# KiCad board beaglebone-ai.kicad_pcb (continued)
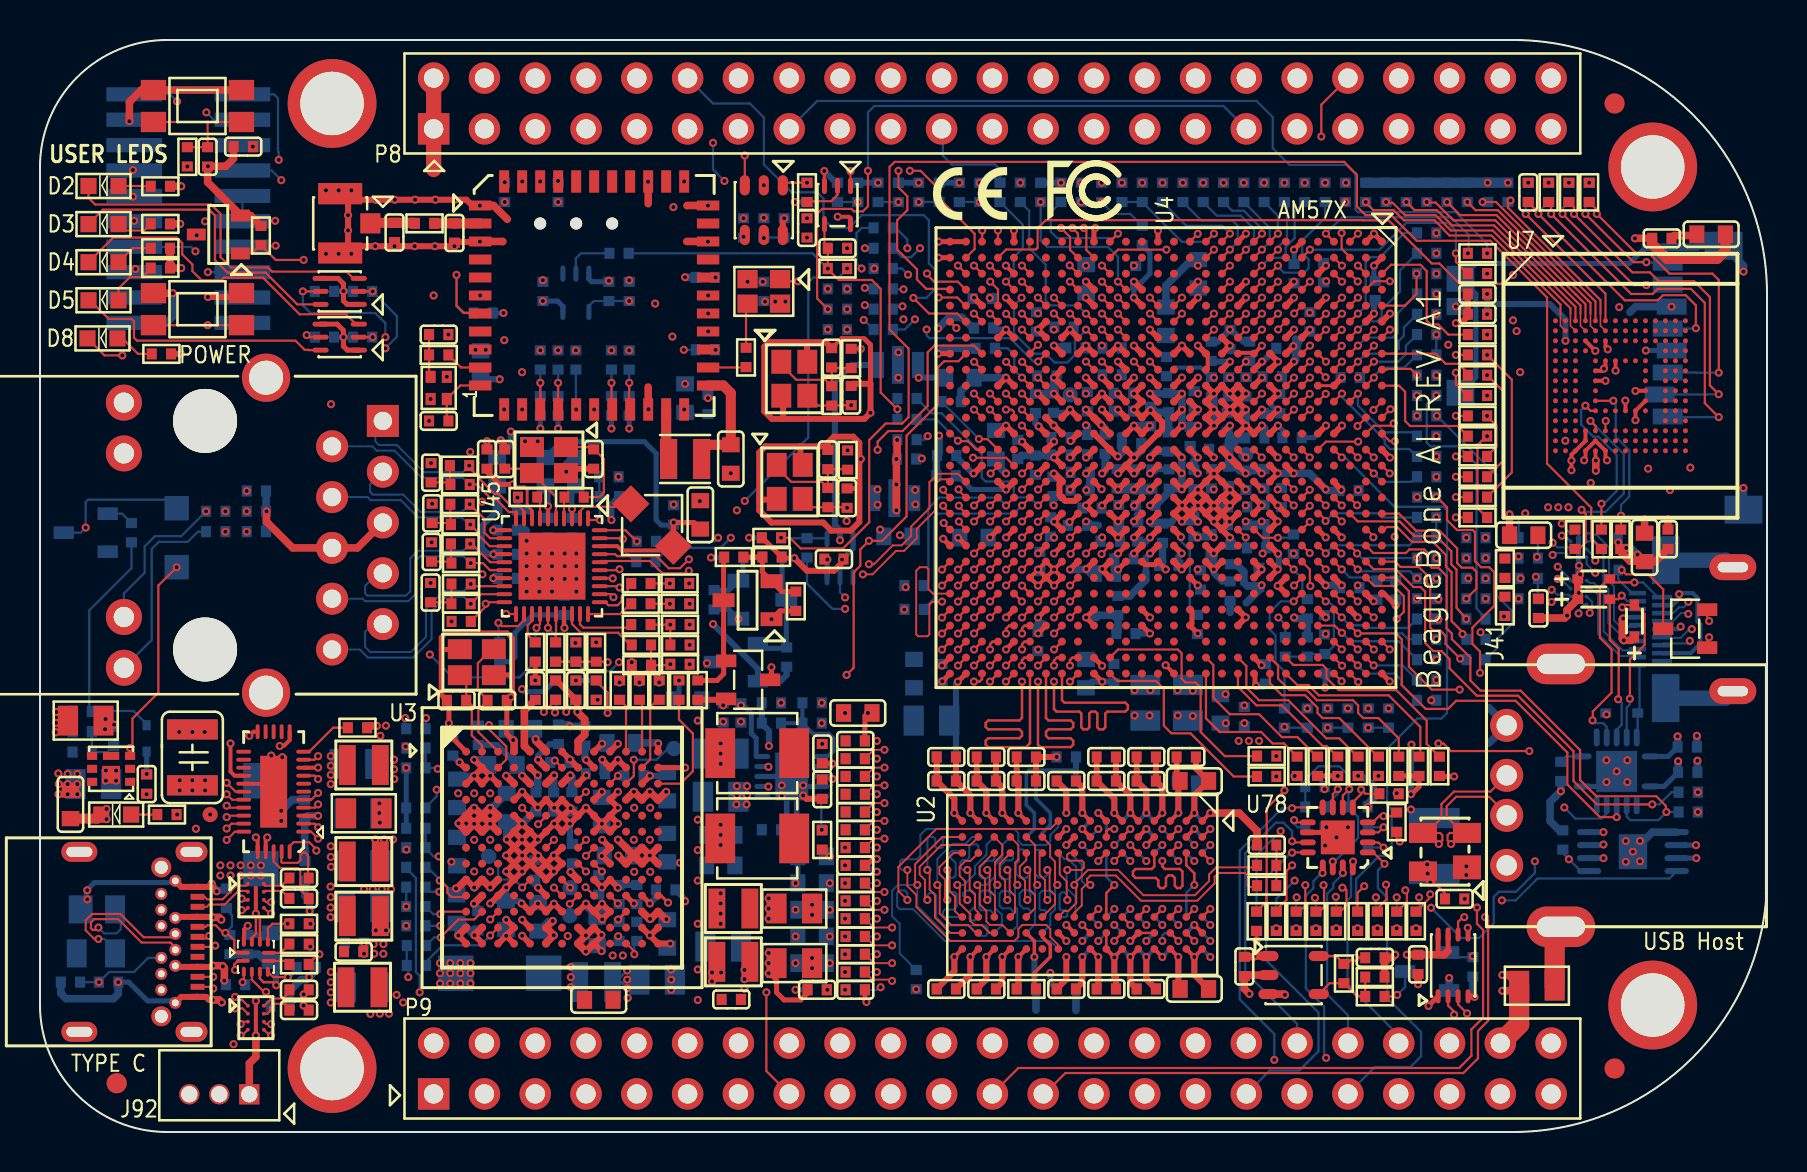
[diagram p0: board, top side]
## Placement (name value [footprint] x y rotation side) (continued)
R193  4.7K  [R0402]  69.34 28.7 180 bottom
R194  4.7K  [R0402]  69.34 27.69 180 bottom
R199  22R  [R0402]  69.34 30.73 180 bottom
R200  22R  [R0402]  69.34 29.72 180 bottom
R201  0R  [R0402]  79.04 29.64 90 top
R202  22R  [R0402]  65.28 46.99 90 bottom
R294  100R  [R0402]  19.94 38.86 180 top
R333  33R  [R0402]  25.02 38.61 90 bottom
R334  33R  [R0402]  25.91 38.61 90 bottom
R336  33R  [R0402]  28.57 38.61 90 bottom
R337  33R  [R0402]  29.46 38.61 90 bottom
R338  10K  [R0402]  22.16 40.96 0 bottom
R385  0R  [R0402]  19.23 45.44 180 top
R387  100K  [R0402]  16.13 39.75 0 bottom
R389  100K  [R0402]  14.22 39.75 180 bottom
R390  100K  [R0402]  16.13 42.04 0 bottom
R392  100K  [R0402]  14.22 42.04 180 bottom
R409  10K  [R0402]  82.42 16 0 bottom
R413  10K  [R0402]  25.91 46.99 270 bottom
R418  10K  [R0402]  75.44 46.99 90 top
R419  10K  [R0402]  76.45 46.99 90 top
R420  10K  [R0402]  77.47 46.99 90 top
R421  10K  [R0402]  75.44 46.99 90 bottom
R422  10K  [R0402]  76.45 46.99 90 bottom
R423  10K  [R0402]  77.47 46.99 90 bottom
R424  10K  [R0402]  39.88 42.16 0 bottom
R455  10K  [R0402]  28.47 31.78 0 bottom
R457  1K  [R0402]  8.79 30.02 180 bottom
R458  33R  [R0402]  30.05 25.37 0 top
R459  33R  [R0402]  30.07 24.36 0 top
R460  33R  [R0402]  25.78 24 270 top
R461  0R  [R0402]  26.71 31.75 180 top
R462  33R  [R0402]  25.78 24 270 bottom
R463  1K  [R0402]  10.82 30.02 180 bottom
R464  33R  [R0402]  30.05 26.42 0 top
R465  2.37K  [R0402]  24.38 31.75 0 top
R466  33R  [R0402]  30.05 27.43 0 top
R467  1K  [R0402]  24.76 24 90 top
R468  49.9R  [R0402]  20.98 33.32 0 top
R469  33R  [R0402]  30.3 28.52 0 bottom
R470  33R  [R0402]  30.33 29.54 0 bottom
R472  49.9R  [R0402]  21.01 32.38 0 top
R473  49.9R  [R0402]  21.01 31.39 0 top
R474  49.9R  [R0402]  21.03 30.38 0 top
R475  10K  [R0402]  21.06 25.53 180 top
R476  49.9R  [R0402]  21.03 29.41 0 top
R477  49.9R  [R0402]  21.06 28.45 0 top
R479  49.9R  [R0402]  21.06 27.41 0 top
R480  49.9R  [R0402]  21.06 26.42 0 top
R481  10K  [R0402]  26.8 24 270 bottom
R482  10K  [R0402]  8.79 31.04 180 bottom
R483  10K  [R0402]  22.99 24 90 bottom
R484  10K  [R0402]  32 23.39 180 top
R485  10K  [R0402]  26.8 24 270 top
R486  10K  [R0402]  32 24.36 180 top
R487  10K  [R0402]  31.98 26.42 180 top
R488  10K  [R0402]  32 25.37 0 top
R489  10K  [R0402]  30.07 23.34 180 top
R490  10K  [R0402]  27.81 24 90 top
R491  10K  [R0402]  31.98 27.43 180 top
R493  10K  [R0402]  55.12 46.99 270 bottom
R516  10K  [R0402]  76.15 14.6 270 bottom
R530  10K  [R0402]  69.34 24.64 0 bottom
R531  10K  [R0402]  71.81 29.72 0 bottom
R533  5.1K  [R0402]  9.32 11.68 270 bottom
R534  5.1K  [R0402]  1.52 7.49 0 bottom
R537  10K  [R0402]  15.88 20.22 180 top
R540  909K  [R0402]  9.78 7.37 0 bottom
R541  10K  [R0402]  12.01 6.3 0 bottom
R542  0R  [R0402]  12.95 9.4 0 top
R543  0R  [R0402]  12.95 8.38 0 top
R545  200K  [R0402]  13.31 8.23 0 bottom
R546  200K  [R0402]  12.95 10.41 0 top
R551  2.2K  [R0402]  2.11 21.03 180 bottom
R552  10K  [R0402]  4.57 29.97 270 bottom
R553  100K  [R0402]  2.11 19 180 bottom
R554  4.7K  [R0402]  3.68 19.79 270 bottom
R555  0R  [R0805]  2.67 17.4 0 bottom
R560  10K  [R0402]  23.24 46.99 270 bottom
R561  10K  [R0402]  25.02 36.32 270 bottom
R562  10K  [R0402]  25.91 36.32 270 bottom
R563  10K  [R0402]  26.8 38.61 90 bottom
R564  10K  [R0402]  28.57 36.32 270 bottom
R565  10K  [R0402]  29.46 36.32 270 bottom
R566  10K  [R0402]  63.75 16.26 180 bottom
R567  10K  [R0402]  65.91 14.22 180 bottom
R571  100K  [R0402]  63.75 15.24 180 bottom
R572  10K  [R0402]  65.91 15.24 180 bottom
R576  0R  [R0402]  35.31 38.74 90 top
R577  0R  [R0402]  68.81 10.54 90 top
R578  0R  [R0402]  68.81 10.54 90 bottom
R579  0R  [R0402]  67.84 10.54 90 bottom
R580  0R  [R0402]  67.84 10.54 90 top
R581  33R  [R0402]  69.34 21.59 0 bottom
R582  33R  [R0402]  69.34 23.62 0 bottom
R583  33R  [R0402]  49.02 46.99 90 bottom
R584  33R  [R0402]  69.34 31.75 0 bottom
R585  33R  [R0402]  48.01 46.99 90 bottom
R588  1K  [R0402]  37.21 42.04 90 bottom
R589  220R  [R0402]  27.81 22.1 270 top
R590  1K  [R0402]  6.02 43.21 0 top
R591  1K  [R0402]  6.02 44.2 0 top
R592  1K  [R0402]  6.02 45.42 0 top
R593  1K  [R0402]  6.02 47.29 0 top
R594  1K  [R0402]  6.35 15.88 0 top
R595  220R  [R0402]  7.37 48.77 270 top
R596  10K  [R0402]  39.88 46.99 270 bottom
R597  10K  [R0402]  53.09 46.99 270 bottom
R598  10K  [R0402]  43.94 46.99 270 bottom
R599  10K  [R0402]  52.07 46.99 270 bottom
R600  10K  [R0402]  57.15 46.99 270 bottom
R601  10K  [R0402]  58.17 46.99 270 bottom
R602  10K  [R0402]  59.18 46.99 270 bottom
R603  10K  [R0402]  60.2 46.99 270 bottom
R604  10K  [R0402]  61.21 46.99 270 bottom
R605  10K  [R0402]  63.25 46.99 270 bottom
R606  10K  [R0402]  62.23 46.99 270 bottom
R607  33R  [R0402]  71.81 26.67 180 bottom
R608  33R  [R0402]  71.81 24.64 180 bottom
R609  33R  [R0402]  69.34 32.77 180 bottom
R610  33R  [R0402]  33.27 39.12 0 bottom
R611  0R  [R0402]  33.4 36.39 270 bottom
R614  0R  [R0402]  69.34 44.96 180 bottom
R615  0R  [R0402]  39.88 41.15 0 bottom
R616  0R  [R0402]  69.34 43.94 180 bottom
R617  0R  [R0402]  71.81 27.69 180 bottom
R618  0R  [R0402]  71.81 28.7 180 bottom
R619  0R  [R0402]  69.34 41.91 180 bottom
R620  0R  [R0402]  69.34 38.86 180 bottom
R621  0R  [R0402]  69.34 39.88 180 bottom
R622  0R  [R0402]  69.34 33.78 180 bottom
R623  0R  [R0402]  69.34 40.89 180 bottom
R624  0R  [R0402]  69.34 37.85 180 bottom
R625  0R  [R0402]  69.34 34.8 180 bottom
R626  0R  [R0402]  69.34 35.81 180 bottom
R627  0R  [R0402]  71.81 23.62 180 bottom
R628  0R  [R0402]  69.34 42.93 180 bottom
R629  0R  [R0402]  39.88 40.13 0 bottom
R630  0R  [R0402]  71.81 25.65 180 bottom
R631  0R  [R0402]  69.34 36.83 180 bottom
R632  0R  [R0402]  61.82 10.54 90 bottom
R633  0R  [R0402]  61.82 10.54 90 top
R634  0R  [R0402]  63.8 10.54 90 top
R635  0R  [R0402]  63.8 10.54 90 bottom
R636  0R  [R0402]  60.83 10.54 90 top
R637  0R  [R0402]  60.83 10.54 90 bottom
R638  0R  [R0402]  62.81 10.54 90 bottom
R639  0R  [R0402]  62.81 10.54 90 top
R640  RL0805JR-070R1L  [R0805]  2.29 20.57 180 top
R641  0R  [R0402]  28.45 32.77 0 bottom
R642  0R  [R0402]  62.27 24.26 270 bottom
R643  0R  [R0402]  65.89 10.54 90 top
R644  0R  [R0402]  65.89 10.54 90 bottom
R645  0R  [R0402]  66.88 10.54 90 bottom
R646  0R  [R0402]  66.88 10.54 90 top
R652  0R  [R0402]  64.82 10.54 90 top
R653  0R  [R0402]  64.82 10.54 90 bottom
R656  100K  [R0402]  65.2 7.92 270 top
R657  80.6K  [R0402]  66.75 7.75 0 top
R658  52.3K  [R0402]  66.75 6.78 180 top
R659  100K  [R0402]  71.65 8.25 90 bottom
R660  100R  [R0402]  24.76 24 90 bottom
R661  10K  [R0402]  33.27 42.74 0 bottom
R662  0R  [R0402]  71.88 31.75 180 top
R663  0R  [R0402]  71.88 38.86 180 top
R664  0R  [R0402]  71.88 30.73 180 top
R665  0R  [R0402]  71.88 34.8 180 top
R666  0R  [R0402]  71.88 32.77 180 top
R667  0R  [R0402]  71.88 37.85 180 top
R668  0R  [R0402]  74.42 29.72 180 bottom
R669  0R  [R0402]  74.42 28.7 180 bottom
R670  1K  [R0402]  61.34 18.8 180 top
R671  1K  [R0402]  61.34 17.78 0 top
R672  1K  [R0402]  69.98 18.29 270 top
R673  1K  [R0402]  66.93 18.29 270 top
R674  1K  [R0402]  64.9 18.29 270 top
R675  1K  [R0402]  63.88 18.29 270 top
R676  1K  [R0402]  68.96 18.29 90 top
R677  1K  [R0402]  67.94 18.29 90 top
R678  1K  [R0402]  65.91 18.29 90 top
R679  1K  [R0402]  62.87 18.29 90 top
R680  0R  [R0402]  28.96 43.94 0 bottom
R681  0R  [R0402]  71.88 43.94 180 top
R682  0R  [R0402]  71.88 39.88 180 top
R683  0R  [R0402]  71.88 35.81 180 top
R684  0R  [R0402]  71.88 33.78 180 top
R685  0R  [R0402]  71.88 36.83 180 top
R686  0R  [R0402]  71.88 42.93 180 top
R687  0R  [R0402]  74.42 26.67 180 bottom
R688  0R  [R0402]  74.42 27.69 180 bottom
R689  100K  [R0402]  55.12 44.83 270 bottom
R690  10K  [R0402]  42.93 46.99 270 bottom
R691  10K  [R0402]  46.99 46.99 270 bottom
R692  100K  [R0402]  40.89 46.99 90 bottom
R693  100K  [R0402]  44.96 46.99 90 bottom
R694  0R  [R0402]  67.44 20.7 90 bottom
R695  0R  [R0402]  66.42 20.7 90 bottom
R696  0R  [R0402]  64.39 20.7 90 bottom
R697  0R  [R0402]  65.4 20.7 90 bottom
R698  0R  [R0402]  29.46 42.04 270 bottom
R699  RL0805JR-070R1L  [R0805]  74.85 7.32 180 top
R700  100K  [R0402]  11.05 44.83 270 top
R701  1K  [R0402]  6.07 38.91 0 top
R702  0R  [R0402]  73.25 26.29 270 top
R703  0R  [R0402]  73.25 28.19 90 top
R704  10K  [R0402]  76.05 18.03 270 bottom
R705  10K  [R0402]  82.42 16.99 0 bottom
R706  0R  [R0402]  67.84 15.49 270 top
R707  0R  [R0402]  67.46 16.92 0 top
REF**  -  [FCC-Logo_3.2x3.7mm_SilkScreen]  51.94 47.12 0 top
REF**#2  -  [CE-Logo]  46.61 47.12 0 top
S1  TACTICLE SWITCH  [SWS4B46X28]  7.87 51.31 180 top
S3  TACTICLE SWITCH  [SWS4B46X28]  7.87 41.15 180 top
T1  SI1902CDL-T1-GE3  [SOT363_6]  14.99 39.75 180 top
T2  SI1902CDL-T1-GE3  [SOT363_6]  14.99 42.04 180 top
TP2  NI  [TP30]  31.7 19.18 270 bottom
TP3  NI  [TP30]  26.49 10.82 270 bottom
TP4  NI  [TP30]  51.51 36.87 90 bottom
TP7  NI  [TP30]  22.44 13.78 270 bottom
TP8  NI  [TP30]  60.3 33.88 90 bottom
TP10  NI  [TP30]  8.51 15.88 0 top
TP11  NI  [TP30]  26.51 12.22 0 bottom
U1  TPS51200DRCRG4  [VSON50P300X300X100-11N]  37.59 17.78 0 bottom
U2  D2516EC4BXGGB  [BGA96G]  52.12 12.35 90 top
U3  TPS6590377ZWSR  [BGA169C80P13X13_1200X1200X140]  26.11 14.22 0 top
U4  AM5729BABCXEAR  [BGA760C80P28X28_2300X2300X305]  56.3 33.73 90 top
U6  SN74LVC1G08DCKR  [SC70_5]  39.88 46.35 90 top
U7  EMMC16G-TB28-Z20U  [BGA153P5]  79.03 37.32 0 top
U8  SN74LVC1G07DCKR  [SC70_5]  40 28.7 270 bottom
U10  TPS3808G33DBVT  [SOT23_6]  36.19 46.1 90 top
U11  D2516EC4BXGGB  [BGA96G]  52.12 12.35 270 bottom
U12  TXS0104ERGYR  [QFN50P350X350X100-15N]  78.84 18.03 0 bottom
U22  TUSB322IRWBR  [X2QFN40P160X160X40-12N]  10.79 8.76 0 top
U37  AW-CM256SM  [WLBT90P1200X1200X160-47N]  27.71 41.83 0 top
U40  SGM2032-ADJYN5G/TR  [SOT23_5]  62.69 7.85 0 top
U45  AR8035-AL1B  [QFN40_1P4H]  25.6 28.3 90 top
U46  SN74LVC2G241DCUT  [VSSOP8CR]  70.66 8.33 270 top
U48  TPS2051BDGN  [SOP8_1FH]  79.65 14.02 0 bottom
U72  PI3USB3102ZLE  [QFN40P300X600X80-33N]  11.68 17.02 180 top
U78  STMPE811QTR  [QFN50P300X300X100-17N]  64.9 14.73 180 top
U88  PCMF2USB30  [WLCSP10C40P3X4_117X157X60N]  10.79 11.81 180 top
U89  PCMF2USB30  [WLCSP10C40P3X4_117X157X60N]  10.79 5.71 180 top
U90  SN74LVC1G07DCKR  [SC70_5]  26.8 41.97 90 bottom
U91  PCMF2HDMI2S  [WLCSP10C40P3X4_117X157X60N]  76.94 29.34 0 bottom
U92  PCMF2HDMI2S  [WLCSP10C40P3X4_117X157X60N]  76.94 26.97 0 bottom
X4  37.4MHZ  [X4S16X12]  19.94 37.21 270 top
X6  16.384MHZ  [OSCCC250X200X60-4N]  21.84 23.5 0 top
X7  20MHZ  [OSCCC250X200X60-4N]  37.49 32.51 270 top
X8  22.5792MHZ  [OSCCC250X200X60-4N]  37.72 37.67 270 top
X9  25MHZ  [OSCCC250X200X60-4N]  25.45 33.6 180 top

## Library data of the parts
C1 C462 = -: Description: CAP,1NF,+/-10%,X7R,50V,SMD0402; Manufacturer: Murata; Manufacturer P/N: GRM155R71H102KA01D; Rating: 50V,X7R
C2 C3 C464 = -: Description: CAP,4.7UF,+/-10%,X5R,10V,SMD0603; Manufacturer: Murata; Manufacturer P/N: GRM188R61A475KE15D; Rating: 10V,X5R
C4 C7 C37 C89-C91 C113 C116 C120 C124 C130 C161 C170 C180 C198 C208 C291 C292 C295 C300 C344 C349 C461 = -: Description: CAP,10UF,+/-10%,X5R,10V,SMD0603; Manufacturer: Murata; Manufacturer P/N: GRM188R61A106KE69D; Rating: 10V,X5R
C5 C6 C8 C20 C35 C41 C42 C49 C60 C61 C69 C80 C81 C87 C88 C98 C99 C123 C143 C144 C147 C149 C153 C159 C163 C184 C225 C226 C267 C281 C285 C286 C320 C321 C325 C327 C335 C336 C340 C345 C347 C348 C350-C353 C439-C441 C443-C446 C457 C466 C472 C491 C492 C496-C498 = -: Description: CAP,100NF,+/-10%,X7R,16V,SMD0402; Manufacturer: Murata; Manufacturer P/N: GRM155R71C104KA88D; Rating: 16V,X7R
C9-C11 C17-C19 C22-C25 C36 C40 C79 C95 C97 C100-C104 C118 C119 C122 C125 C131 C136 C138-C141 C145 C146 C148 C154 C155 C158 C162 C165 C166 C171 C174 C175 C178 C181 C182 C185-C187 C189 C190 C193 C197 C199 C201-C203 C205-C207 C209-C213 C218 C220-C224 C227 C230-C238 C242 C245 C255-C259 C261 C262 C269-C272 C299 C483 C494 = -: Description: CAP,10NF,+/-10%,X7R,16V,SMD0402; Manufacturer: MURATA; Manufacturer P/N: GRM155R71C103KA01D; Rating: X7R,16V
C12 C26 C93 C94 C105 C111 C192 C263-C266 C293 C294 C297 C298 = -: Description: CAP,47UF,+/-20%,X5R,6.3V,SMD0805; Manufacturer: MURATA; Manufacturer P/N: GRM21BR60J476ME15L; Rating: 6.3V,X5R
C13-C16 = -: Description: CAP,24pF,+/-5%,C0G,50V,SMD0402; Manufacturer: Murata; Manufacturer P/N: GRM1555C1H240JA01D; Rating: 50V,C0G
C38 C43 C117 C121 C133 C134 C151 C152 C157 = -: Description: CAP,2.2UF,+/-20%,X5R,6.3V,SMD0402; Manufacturer: Murata; Manufacturer P/N: GRM155R60J225ME15D; Rating: 6.3V,X5R
C39 C96 C188 = -: Description: CAP,22UF,+/-20%,X5R,6.3V,SMD0603; Manufacturer: MURATA; Manufacturer P/N: GRM188R60J226MEA0D; Rating: 6.3V,X5R
C51 C52 C68 C338 C341-C343 C463 = -: Description: CAP,15pF,+/-2%,C0G,50V,SMD0402; Manufacturer: Murata; Manufacturer P/N: GRM1555C1H150GA01D; Rating: 50V,C0G
C58 = -: Description: CAP,22UF,+/-20%,x5R,10V,SMD0603; Manufacturer: Murata; Manufacturer P/N: GRM188R61A226ME15D; Rating: 10V,X5R
C92 = -: Description: CAP,10PF,+/-5%,C0G,50V,SMD0402; Manufacturer: MURATA; Manufacturer P/N: GRM1555C1H100JA01D; Rating: 50V,C0G
C106-C109 C179 C204 C214 C254 C260 C273-C277 C279 C283 C339 C346 C480 C489 C490 C495 = -: Description: CAP,1UF,+/-10%,X5R,10V,SMD0402; Manufacturer: Murata; Manufacturer P/N: GRM155R61A105KE15D; Rating: 10V,X5R
C110 C112 C168 C176 C177 C183 C200 C215 C217 C296 = -: Description: CAP,10UF,+/-20%,X5R,6.3V,SMD0402; Manufacturer: Yageo; Manufacturer P/N: CC0402MRX5R5BB106; Rating: X5R,6.3V
C114 C115 C127 C128 C132 C156 C194-C196 C442 C456 = -: Description: CAP,4.7UF,+/-10%,X5R,16V,SMD0603; Manufacturer: Murata; Manufacturer P/N: GRM188R61C475KAAJD; Rating: 16V,X5R
C126 C164 C169 C172 C278 C282 = -: Description: CAP,2.2UF,+/-10%,X5R,16V,SMD0603; Manufacturer: Murata; Manufacturer P/N: GRM188R61C225KE15D; Rating: 16V,X5R
C216 = -: Description: CAP,1UF,+/-10%,X5R,16V,SMD0402; Manufacturer: Murata; Manufacturer P/N: GRM155R61C105KA12D; Rating: 16V,X5R
C268 = -: Description: Cap  Ceramic 1.5pF, +-0.25pF, 50V, C0G, 0402; Manufacturer: Murata; Manufacturer P/N: GRM1555C1H1R5CA01D; Rating: 50V,C0G
C326 = -: Description: CAP,47UF,+/-20%,X5R,10V,SMD1210; Manufacturer: MURATA; Manufacturer P/N: GRM32ER61A476ME20; Rating: 10V,X5R
C334 C337 = -: Description: CAP,22PF,+/-5%,C0G,50V,SMD0402; Manufacturer: Murata; Manufacturer P/N: GRM1555C1H220JA01D; Rating: 50V,C0G
C473 = -: Description: CAP,5PF,+/-0.25PF,C0G,50V,SMD0402; Manufacturer: Murata; Manufacturer P/N: GRM1555C1H5R0CA01D; Rating: 50V,C0G
C481 C482 = -: Description: CAP,100UF,+/-20%,X5R,6.3V,SMD1210; Manufacturer: MURATA; Manufacturer P/N: GRM32ER60J107ME20#; Rating: 6.3V,X5R
C488 = -: Description: CAP,1.0PF,+/-0.1PF,50V,SMD0402,LowESR,High-Q type; Manufacturer: Murata; Manufacturer P/N: GJM1555C1H1R0BB01D; Rating: 50V,NP0
D1-D5 D8 = -: Description: LED,Super Yellow Green,Water Clear,20mA,SMD0603; Manufacturer: Everlight; Manufacturer P/N: 19-217/G7C-AN1P2/3T; Rating: 20mA
D6 D7 = -: Description: IC,Low-Voltage Adjustable Precision Shunt Regulators; Manufacturer: TI
D21-D25 = -: Description: Diode,TVS,ESD5B5.0ST1G,5V,50W,SOD-523,SMD; Manufacturer: ON
D46 D47 = -: Description: Diode,TVS,ESD0402-V05L, 5V, 0.1pF,0402,SMD; Manufacturer: TOPS; Rating: 5V
D76 = -: Description: Diode,Zener Diode,MM5Z5V1ST1G,5.1V,+/-2%,200 mW,SOD523,SMD,-65~155,AEC-Q101,TR; Manufacturer: ON
D77 = -: Description: Diode,Schottky Diode,1N5819HW-7-F,40V,1A,SOD-123,SMD,-65~125,TR; Manufacturer: DIODES
D78 D79 = -: Description: Diode,TVS,PRTR5V0U2X, 5.5V,SOT-143B,SMD; Manufacturer: NXP
D81 D82 = -: Description: Diode,Schottky Diode,B360A-13-F,60V,3A,SMA,SMD; Manufacturer: DIODES
FB2 FB3 FB6 = -: Description: Ferrite Bead,180ohm@100MHz,+/-25%,1500mA,0.09ohm,SMD0603; Manufacturer: Murata; Manufacturer P/N: BLM18PG181SN1D; Rating: 1500mA
FB5 = -: Description: Ferrite Bead,120ohm@100MHz,+/-25%,1300mA,90mohm,SMD0402; Manufacturer: Murata; Manufacturer P/N: BLM15PD121SN1D; Rating: 1300mA
FL1 FL2 = -: Description: CAP Feedthru 0.47UF 20% 16V 0805; Manufacturer: Murata
ID1-ID3 = -: Description: MARK  point,DIA 40mil
J33 = -: Description: Connector,Coaxial Connector,U.FL-R-SMT-1,6GHZ,SMD,TR  U.FL-R-SMT-1(10) Packing for2,500 pcs/reel or U.FL-R-SMT-1(40) Packing for4,000 pcs/reel; MANUFACTURER: HIROSE; Manufacturer P/N: Connector,Coaxial Connector,U.FL-R-SMT-1,6GHZ,SMD,TR  U.FL-R-SMT-1(10) Packing for2,500 pcs/reel or U.FL-R-SMT-1(40) Packing for4,000 pcs/reel
J37 = -: Description: Connector,RJ45 Jack with integrated magnetics and Y/G/Y Three leds,Right Angle,1000M,Gold Flash 6u,Black,21.35x15.95x13.50MM,DIP; MANUFACTURER: MTCONN; Manufacturer P/N: Connector,RJ45 Jack with integrated magnetics and Y/G/Y Three leds,Right Angle,1000M,Gold Flash 6u,Black,21.35x15.95x13.50MM,DIP
J41 = -: Description: Connector,USB A port,4 Position,female,Right Angle,30u GXT Contact,black,DIP; MANUFACTURER: Foxcon; Manufacturer P/N: Connector,USB A port,4 Position,female,Right Angle,30u GXT Contact,black,DIP
J42 = -: Description: Connector,USB type C port,female,flat insert,SMT/THT;; MANUFACTURER: MTCONN; Manufacturer P/N: Connector,USB type C port,female,flat insert,SMT/THT;
J90 = -: Description: Card Connector MCTF-0606 Connector,MicroSD Card CONN with detect switch,Gold Flash 1u,Black,SMD MTCONN Hamster AM572x; MANUFACTURER: HSF; Manufacturer P/N: Card Connector MCTF-0606 Connector,MicroSD Card CONN with detect switch,Gold Flash 1u,Black,SMD MTCONN Hamster AM572x
J91 = -: Description: Connector,HDMI Receptacle, Type D, Right Angle,DIP+ SMT leg; MANUFACTURER: FCI; Manufacturer P/N: Connector,HDMI Receptacle, Type D, Right Angle,DIP+ SMT leg
J92 = -: Description: Connector, Wire-To-Board Top Entry, ZH Series, Through Hole, Header, 3PIN, 1.5 mm, Tin Plated Contacts; MANUFACTURER: JST; Manufacturer P/N: Connector, Wire-To-Board Top Entry, ZH Series, Through Hole, Header, 3PIN, 1.5 mm, Tin Plated Contacts
L1 L2 = -: Description: Power Inductor,Magnetic shielded,1uH,idc4.5A,27mohm,4.3x4.0x2.0mm,20%,SMD,TR; MANUFACTURER: GAUSSTEK; Manufacturer: SP04O203M1U; Manufacturer P/N: Power Inductor,Magnetic shielded,1uH,idc4.5A,27mohm,4.3x4.0x2.0mm,20%,SMD,TR
L15 = -: Description: Power Inductor,Magnetic shielded,4.7uH,1.2A,0.14ohm,3X3X1.8mm,SMD; MANUFACTURER: Sumida; Manufacturer: CDRH2D18/HPNP-4R7NC; Manufacturer P/N: Power Inductor,Magnetic shielded,4.7uH,1.2A,0.14ohm,3X3X1.8mm,SMD
L16-L22 = -: Description: SMD Power Inductors 1uH +/-20%;-25C to +125C SATURATION CURRENT 3.1A;DCR 85m;Size:2.5*2.0*1.05mm; MANUFACTURER: Gausstek; Manufacturer: DI20A102M1U; Manufacturer P/N: SMD Power Inductors 1uH +/-20%;-25C to +125C SATURATION CURRENT 3.1A;DCR 85m;Size:2.5*2.0*1.05mm
L30 = -: Description: Power Inductor,Magnetic shielded,4.7uH,1.05A,0.338ohm,2.5x2.0x1.2mm,SMD; MANUFACTURER: TDK; Manufacturer: VLS252012ET-4R7M; Manufacturer P/N: Power Inductor,Magnetic shielded,4.7uH,1.05A,0.338ohm,2.5x2.0x1.2mm,SMD
MH1-MH4 = -: Description: Plated hole,Circle,DAI 4.445MM ,VIA 3.175MM; MANUFACTURER: Plated hole,Circle,DAI 4.445MM ,VIA 3.175MM
OSC1 = -: Description: Oscillator,1651-L3273-BTBQYA,32.768KHz,+/-30ppm,3.3V,2520-4 pads,SMD; Manufacturer: INTERQUIP; Manufacturer P/N: 1651-L3273-BTBQYA; Rating: 30PPM
P2 = -: Description: Dual Line Header 10x2pin Tin; Manufacturer: Dual Line Header 10x2pin Tin; Manufacturer P/N: Dual Line Header 10x2pin Tin
P8 P9 = -: Description: Connector,Pin Socket,Straight,Female,2x23Pin,2.54MM pitch,8.5,3.0,Gold Flash 1u, black,DIP; Manufacturer: MTCONN; Manufacturer P/N: JT254F-D180-850-223-001-G
Q1 Q4 Q14 = -: Description: Transistor,PNP,MMBT2907A-7-F,60V,600MA,SOT-23,SMD; Manufacturer: Diodes; Manufacturer P/N: MMBT2907A-7-F; Rating: 600mA
Q15 = -: Description: MOSFET,Single P-Channel PowerTrench MOSFET,-12A, -12V,12.5 mohm,microFET2x2(8Pin),SMD; Manufacturer: FAIRCHILD
Q17 = -: Description: Mosfet,N-Channel,2N7002,60V,115mA,SOT-23,SMD; Manufacturer: FAIRCHILD
Q18 = -: Description: Mosfet,N-Channel,BSS138LT1G,50V,0.2A,SOT-23,SMD; Manufacturer: ON
Q19 = -: Description: Diode,Schottky Barrier(Double) Diodes,BAT54C,215,30V,200mA,SOT-23,SMD; Manufacturer: NXP
R1 R2 R8 R13 R86 R87 R338 R409 R413 R418-R424 R455 R475 R481-R491 R516 R530 R531 R537 R560-R565 R704 R705 = -: Description: RES,10K,+/-1%,1/16W,SMD0402; Manufacturer: YAGEO; Manufacturer P/N: RC0402FR-0710KL; Rating: 1%
R3 R38 R44 R162 R164 R168 R173 R387 R389 R390 R392 R553 R571 R689 R692 R693 R700 = -: Description: RES,100K,+/-5%,1/16W,SMD0402; Manufacturer: YAGEO; Manufacturer P/N: RC0402JR-07100KL; Rating: 5%
R4 R18-R20 R24 R27 R54 R74 R82 R98 R99 R101-R104 R107 R112 R113 R119 R121 R124 R139 R155-R157 R169 R174-R179 R182 R184-R186 R188 R493 R541 R552 R566 R567 R572 R596-R606 R661 R690 R691 = -: Description: RES,10K,+/-5%,1/16W,SMD0402; Manufacturer: YAGEO; Manufacturer P/N: RC0402JR-0710KL; Rating: 5%
R7 R10 R14 R15 R55 R56 R70 R89 R90 R100 R108 R130 R145 R146 R148 R149 R152 R159 R183 R201 R385 R461 R542 R543 R576-R580 R611 R614-R639 R641-R646 R652 R653 R662-R669 R680-R688 R694-R698 R702 R703 R706 R707 = -: Description: RES,0R,+/-5%,1/16W,SMD0402; Manufacturer: YAGEO; Manufacturer P/N: RC0402JR-070RL; Rating: 5%
R9 R85 = -: Description: RES,499R,+/-1%,1/16W,SMD0402; Manufacturer: YAGEO; Manufacturer P/N: RC0402FR-07499RL; Rating: 1%
R11 R12 = -: Description: RES,1M,+/-5%,1/16W,SMD0402; Manufacturer: YAGEO; Manufacturer P/N: RC0402JR-071ML; Rating: 5%
R17 R91 = -: Description: RES,40K2,+/-1%,1/16W,SMD0402; Manufacturer: YAGEO; Manufacturer P/N: RC0402FR-0740K2L; Rating: 1%
R22 R88 = -: Description: RES,240R,+/-1%,1/16W,SMD0402; Manufacturer: YAGEO; Manufacturer P/N: RC0402FR-07240RL; Rating: 1%
R25 R30 R31 R33 R34 R36 R37 R39 R40 R42 R43 R123 R125 R126 R128 R129 R131 R132 R136 R137 R140 R142 R143 R160 R161 = -: Description: RES,47R,+/-1%,1/16W,SMD0402; Manufacturer: YAGEO; Manufacturer P/N: RC0402FR-0747RL; Rating: 1%
R26 R29 R468 R472-R474 R476 R477 R479 R480 = -: Description: RES,49R9,+/-1%,1/16W,SMD0402; Manufacturer: YAGEO; Manufacturer P/N: RC0402FR-0749R9L; Rating: 1%
R57 = -: Description: RES,18K,+/-1%,1/16W,SMD0402; Manufacturer: YAGEO; Manufacturer P/N: RC0402FR-0718KL; Rating: 1%
R58 = -: Description: RES,20K,+/-1%,1/16W,SMD0402; Manufacturer: YAGEO; Manufacturer P/N: RC0402FR-0720KL; Rating: 1%
R83 R660 = -: Description: RES,100R,+/-5%,1/16W,SMD0402; Manufacturer: YAGEO; Manufacturer P/N: RC0402JR-07100RL; Rating: 5%
R84 = -: Description: RES,10R,+/-1%,1/16W,SMD0402; Manufacturer: YAGEO; Manufacturer P/N: RC0402FR-0710RL; Rating: 1%
R92-R97 R199 R200 R202 = -: Description: RES,22R,+/-5%,1/16W,SMD0402; Manufacturer: YAGEO; Manufacturer P/N: RC0402JR-0722RL; Rating: 5%
R134 = -: Description: RES,1K5,+/-5%,1/16W,SMD0402; Manufacturer: YAGEO; Manufacturer P/N: RC0402JR-071K5L; Rating: 5%
R147 R150 R151 R588 R590-R594 R670-R679 R701 = -: Description: RES,1K,+/-5%,1/16W,SMD0402; Manufacturer: YAGEO; Manufacturer P/N: RC0402JR-071KL; Rating: 5%
R180 R189 R192-R194 R554 = -: Description: RES,4K7,+/-5%,1/16W,SMD0402; Manufacturer: YAGEO; Manufacturer P/N: RC0402JR-074K7L; Rating: 5%
R294 = -: Description: RES,100R,+/-1%,1/16W,SMD0402,ALT_CODE:15052701; Manufacturer: YAGEO; Manufacturer P/N: RC0402FR-07100RL; Rating: 1%
R333 R334 R336 R337 R458-R460 R462 R464 R466 R469 R470 R581-R585 R607-R610 = -: Description: RES,33R,+/-5%,1/16W,SMD0402; Manufacturer: YAGEO; Manufacturer P/N: RC0402JR-0733RL; Rating: 5%
R457 R463 R467 = -: Description: RES,1K,+/-1%,1/16W,SMD0402; Manufacturer: YAGEO; Manufacturer P/N: RC0402FR-071KL; Rating: 1%
R465 = -: Description: RES,2K37,+/-1%,1/16W,SMD0402; Manufacturer: YAGEO; Manufacturer P/N: RC0402FR-072K37L; Rating: 1%
R533 R534 = -: Description: RES,5K1,+/-1%,1/16W,SMD0402; Manufacturer: YAGEO; Manufacturer P/N: RC0402FR-075K1L; Rating: 1%
R540 = -: Description: RES,909K,+/-1%,1/16W,SMD0402; Manufacturer: YAGEO; Manufacturer P/N: RC0402FR-07909KL; Rating: 1%
R545 R546 = -: Description: RES,200K,+/-5%,1/16W,SMD0402; Manufacturer: YAGEO; Manufacturer P/N: RC0402JR-07200KL; Rating: 5%
R551 = -: Description: RES,2K2,+/-5%,1/16W,SMD0402; Manufacturer: YAGEO; Manufacturer P/N: RC0402JR-072K2L; Rating: 5%
R555 = -: Description: RES,0R,+/-5%,1/2W,SMD0805; Manufacturer: YAGEO; Manufacturer P/N: RC0805JR-070RL; Rating: 5%
R589 R595 = -: Description: RES,220R,+/-5%,1/16W,SMD0402; Manufacturer: YAGEO; Manufacturer P/N: RC0402JR-07220RL; Rating: 5%
R640 R699 = -: Description: RES,0R1,+/-5%,1/8W,SMD0805; Manufacturer: Yageo; Rating: 5%
R656 R659 = -: Description: RES,100K,+/-1%,1/16W,SMD0402; Manufacturer: YAGEO; Manufacturer P/N: RC0402FR-07100KL; Rating: 1%
R657 = -: Description: RES,80K6,+/-1%,1/16W,SMD0402; Manufacturer: YAGEO; Manufacturer P/N: RC0402FR-0780K6L; Rating: 1%
R658 = -: Description: RES,52K3,+/-1%,1/16W,SMD0402; Manufacturer: YAGEO; Manufacturer P/N: RC0402FR-0752K3L; Rating: 1%
S1 S3 = -: Description: Switch,Tactile,300gf+/-50gf,black housing,black plunger,4.6*2.8*1.9MM,SMD; Manufacturer: C&K; Manufacturer P/N: KMR231GLFS
T1 T2 = -: Description: Mosfet,N-Channel,Si1902CDL-T1-GE3,20V,385mohm,1.5A,SOT-363,SMD; Manufacturer: VISHAY; Manufacturer P/N: Si1902CDL-T1-GE3
TP2-TP4 TP7 TP8 TP10 TP11 = -: Description: Test point,DIA 30mil
U1 = -: Description: IC Sink and Source DDR Termination Regulator VSON-10 SMD; Manufacturer: TI
U2 U11 = -: Description: IC,DDR3L 4 GB (256M x 16) DDR3/3L-1600 Mbps DRAM - FBGA-96 Tray; Manufacturer: KINGSTON
U3 = -: Description: IC TPS659037 Power Management Unit (PMU) for Processor NFBGA-169 SMD; Manufacturer: TI
U4 = -: Description: IC ARM Dual Cortex-A15 Microprocessor FCBGA(ABC)-760 SMD JEDEC TRAY; Manufacturer: TI
U6 = -: Description: IC,SINGLE 2-INPUT POSITIVE-AND GATE,SN74LVC1G08DCKR,SOT-353,SMD; Manufacturer: TI
U7 = -: Description: IC,Memory,16GB,EMMC,EMMC16G-TB28-Z20U,FBGA153,SMD; Manufacturer: Kingston
U8 U90 = -: Description: IC,SINGLE BUFFER/DRIVER WITH OPEN-DRAIN OUTPUT,SN74LVC1G07DCKR,SC-70,SMD; Manufacturer: TI
U10 = -: Description: IC,Low Quiescent Current, Programmable-Delay Supervisory Circuit,TPS3808G33DBVT,SOT-23,SMD; Manufacturer: TI
U12 = -: Description: IC,TXS0104E 4-Bit Bidirectional Voltage-Level Translator For Open-Drain and Push-PullApplications 14-QFN,SMD; Manufacturer: TI
U22 = -: Description: USB Type C Configuration Channel Logic and Port Control with VCONN; Manufacturer: TI
U37 = -: Description: IEEE 802.11 a/b/g/n/ac WIFI with Bluetooth 4.2 combo SDIO and UART Stamp Module,AW-CM256SM,SMD; Manufacturer: AzureWave
U40 = -: Description: IC,300mA Low Power Low Dropout RF Linear Regulators,SGM2032-ADJYN5G/TR,SOT23-5,SMD; Manufacturer: KINGSTON
U45 = -: Description: IC,Ultra low-power single RGMII Gigabit Ethernet PHY,AR8035,QFN-40,SMD; MANUFACTURER: ATHEROS; Manufacturer: ATHEROS
U46 = -: Description: IC,Dual Buffer and Line Driver,SN74LVC2G241DCUT,US8,SMD; Manufacturer: TI
U48 = -: Description: IC,Current-Limited Power-distribution Switches,TPS2051BDGN,8-MSOP-PowerPad,SMD; Manufacturer: TI
U72 = -: Description: IC USB3.0&USB2.0 SWITCH 32TQFN; Manufacturer: Pericom
U78 = -: Description: 12 bit ADC,S-Touch? advanced resistive touchscreen controller with 8-bit GPIO expander; Manufacturer: STMicroelectronics
U88 U89 = -: Description: Common-mode EMI filter for differential channels with integrated ESD protection; Manufacturer: Nexperia USA Inc.; Manufacturer P/N: PCMF2USB30Z
U91 U92 = -: Description: EMI filter with integrated ElectroStatic Discharge protection two differential channels,PCMF2HDMI2S,SMD; Manufacturer: Nexperia
X4 = -: Description: XTAL,37.4MHz,12PF 1.6x1.2mm,,X37M400000S002, SMT TR; Manufacturer: AEL; Manufacturer P/N: X37M400000S002
X6 = -: Description: Crystal,5ZAA16384102TFA5Q3,16.384MHz,+/-20PPM,10PF,2520-4 pads,SMD; Manufacturer: INTERQUIP; Manufacturer P/N: 5ZAA16384102TFA5Q3; Rating: 20PPM
X7 = -: Description: Crystal,5ZAA20000181TFA2Q3,20MHz,+/-10PPM,18PF,2520-4 pads,SMD; Manufacturer: INTERQUIP; Manufacturer P/N: 5ZAA20000181TFA2Q3; Rating: 10PPM
X8 = -: Description: Crystal,5ZAA22579182TFA0Q3,22.5792MHz,+/-20PPM,18PF,2520-4 pads,SMD; Manufacturer: INTERQUIP; Manufacturer P/N: 5ZAA22579182TFA0Q3; Rating: 20PPM
X9 = -: Description: Crystal,5ZAA25000202TFA0Q3,25MHz,+/-20PPM,20PF,2520-4 pads,SMD; Manufacturer: INTERQUIP; Manufacturer P/N: 5ZAA25000202TFA0Q3; Rating: 20PPM

## Footprints (pads in the part's own frame, mm; a bottom-side part is the same pattern mirrored in y, then rotated)
ANT3S_26X26
  rect 1.016x1.016 smd: 1(0,1.508)
  rect 1.067x2.21 smd: 2(1.483,0) 3(-1.483,0)
BGA96G
  round 0.381 smd: A1(3.2,-6) A2(2.4,-6) A3(1.6,-6) A7(-1.6,-6) A8(-2.4,-6) A9(-3.2,-6) B1(3.2,-5.2) B2(2.4,-5.2) B3(1.6,-5.2) B7(-1.6,-5.2) B8(-2.4,-5.2) B9(-3.2,-5.2) C1(3.2,-4.4) C2(2.4,-4.4) C3(1.6,-4.4) C7(-1.6,-4.4) C8(-2.4,-4.4) C9(-3.2,-4.4) D1(3.2,-3.6) D2(2.4,-3.6) D3(1.6,-3.6) D7(-1.6,-3.6) D8(-2.4,-3.6) D9(-3.2,-3.6) E1(3.2,-2.8) E2(2.4,-2.8) E3(1.6,-2.8) E7(-1.6,-2.8) E8(-2.4,-2.8) E9(-3.2,-2.8) F1(3.2,-2) F2(2.4,-2) F3(1.6,-2) F7(-1.6,-2) F8(-2.4,-2) F9(-3.2,-2) G1(3.2,-1.2) G2(2.4,-1.2) G3(1.6,-1.2) G7(-1.6,-1.2) G8(-2.4,-1.2) G9(-3.2,-1.2) H1(3.2,-0.4) H2(2.4,-0.4) H3(1.6,-0.4) H7(-1.6,-0.4) H8(-2.4,-0.4) H9(-3.2,-0.4) J1(3.2,0.4) J2(2.4,0.4) J3(1.6,0.4) J7(-1.6,0.4) J8(-2.4,0.4) J9(-3.2,0.4) K1(3.2,1.2) K2(2.4,1.2) K3(1.6,1.2) K7(-1.6,1.2) K8(-2.4,1.2) K9(-3.2,1.2) L1(3.2,2) L2(2.4,2) L3(1.6,2) L7(-1.6,2) L8(-2.4,2) L9(-3.2,2) M1(3.2,2.8) M2(2.4,2.8) M3(1.6,2.8) M7(-1.6,2.8) M8(-2.4,2.8) M9(-3.2,2.8) N1(3.2,3.6) N2(2.4,3.6) N3(1.6,3.6) N7(-1.6,3.6) N8(-2.4,3.6) N9(-3.2,3.6) P1(3.2,4.4) P2(2.4,4.4) P3(1.6,4.4) P7(-1.6,4.4) P8(-2.4,4.4) P9(-3.2,4.4) R1(3.2,5.2) R2(2.4,5.2) R3(1.6,5.2) R7(-1.6,5.2) R8(-2.4,5.2) R9(-3.2,5.2) T1(3.2,6) T2(2.4,6) T3(1.6,6) T7(-1.6,6) T8(-2.4,6) T9(-3.2,6)
